# KiCad board pcb.kicad_pcb (continued)
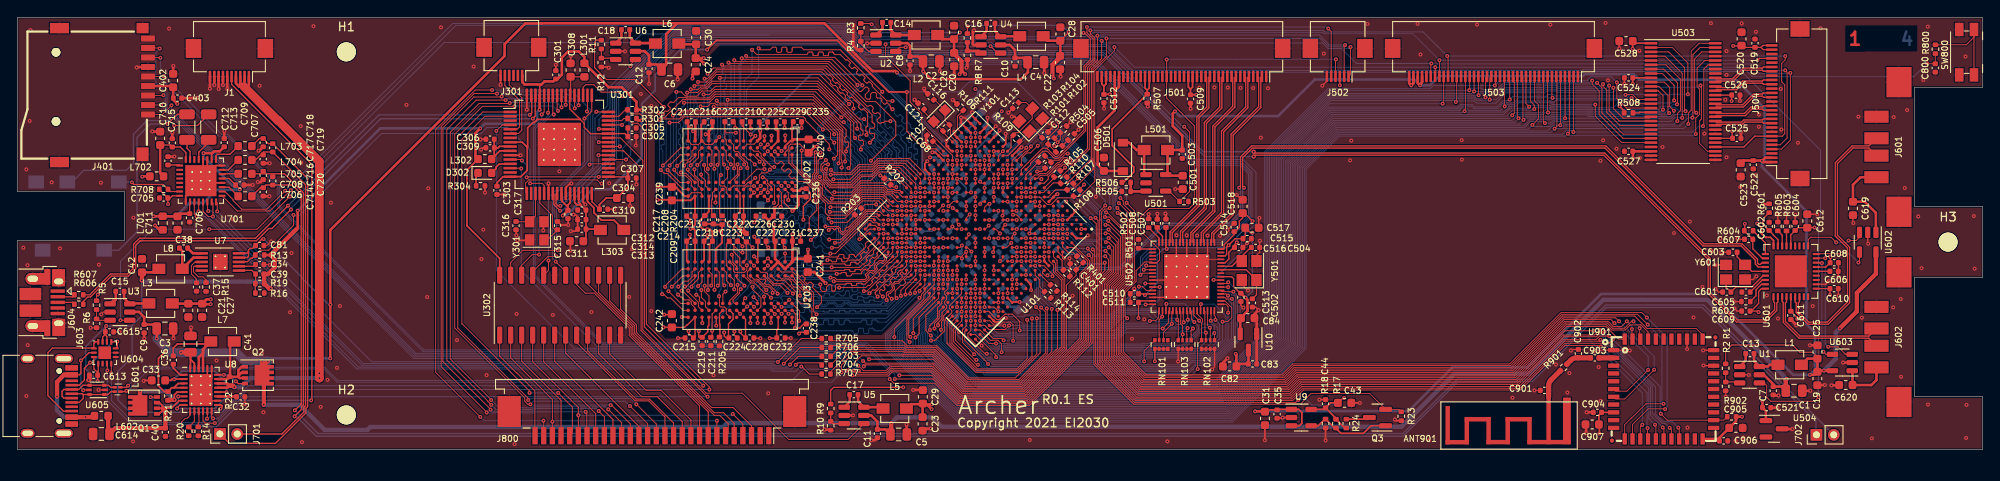
[diagram p0: board, top side]
## Nets (continued)
GND: ANT901.2 C1.1 C2.1 C3.1 C4.1 C5.1 C6.1 C7.1 C8.1 C9.1 C10.1 C11.1 C12.1 C19.1 C20.1 C21.1 C22.1 C23.1 C24.1 C25.1 C26.1 C27.1 C28.1 C29.1 C30.1 C31.2 C32.1 C33.1 C34.1 C35.2 C37.1 C40.1 C41.1 C42.1 C43.2 C44.2 C45.2 C46.2 C47.2 C48.2 C49.2 C50.2 C51.2 C52.2 C53.2 C54.2 C55.2 C56.2 C57.2 C58.2 C59.2 C60.2 C61.2 C62.2 C63.2 C64.2 C65.1 C66.1 C67.1 C68.1 C69.1 C70.1 C71.2 C72.2 C73.2 C74.2 C75.2 C76.1 C77.1 C78.1 C79.1 C80.1 C81.1 C82.2 C83.2 C84.2 C101.2 C102.2 C103.2 C104.2 C105.2 C106.2 C107.2 C108.2 C109.2 C110.2 C111.2 C112.2 C113.2 C114.2 C115.2 C116.2 C117.2 C118.2 C119.2 C120.2 C121.2 C122.2 C123.2 C124.2 C125.2 C126.2 C201.2 C202.2 C203.2 C204.2 C205.2 C206.2 C207.2 C208.2 C209.2 C210.2 C211.2 C212.2 C213.2 C214.2 C215.2 C216.2 C217.2 C218.2 C219.2 C220.2 C221.2 C222.2 C223.2 C224.2 C225.2 C226.2 C227.2 C228.2 C229.2 C230.2 C231.2 C232.2 C234.2 C235.2 C236.2 C237.2 C238.2 C239.2 C240.2 C241.2 C242.2 C301.2 C302.2 C303.2 C304.2 C305.2 C306.2 C307.2 C308.2 C309.2 C310.2 C311.2 C312.2 C313.2 C314.2 C315.2 C316.2 C317.2 C401.2 C402.2 C403.2 C501.1 C502.1 C503.1 C504.1 C505.1 C506.1 C507.2 C508.2 C509.2 C510.2 C511.2 C512.2 C513.2 C514.2 C515.2 C516.2 C517.2 C518.2 C519.2 C520.2 C521.2 C522.2 C523.2 C524.2 C525.2 C526.2 C527.2 C528.2 C601.1 C602.2 C603.1 C604.2 C605.2 C606.2 C607.2 C608.2 C609.2 C610.2 C611.2 C612.2 C613.2 C614.2 C615.2 C619.2 C620.2 C705.2 C706.2 C707.2 C708.2 C709.2 C710.2 C711.2 C714.1 C715.2 C716.1 C717.1 C718.1 C800.1 C901.1 C902.1 C904.2 C905.2 C906.2 C907.2 J1.6 J1.7 J1.8 J1.9 J1.10 J1.MP J301.6 J301.MP J401.6 J401.10 J401.11 J401.12 J401.13 J501.1 J501.4 J501.7 J501.10 J501.13 J501.16 J501.17 J501.27 J501.30 J501.32 J501.33 J501.37 J501.MP J502.6 J502.MP J503.1 J503.10 J503.19 J503.23 J503.28 J503.30 J503.36 J503.MP J504.8 J504.9 J504.12 J504.15 J504.18 J504.21 J504.MP J601.4 J601.5 J602.4 J602.5 J603.A1 J603.A12 J603.B1 J603.B12 J603.S1 J604.4 J604.5 J604.6 J703.S J800.1 J800.MP R2.1 R4.1 R6.1 R8.1 R10.1 R12.1 R14.2 R15.1 R16.1 R18.2 R23.2 R102.1 R104.1 R106.1 R112.2 R113.2 R114.2 R115.1 R201.1 R202.1 R203.1 R204.2 R205.2 R207.2 R304.2 R501.1 R502.1 R503.2 R507.2 R602.2 R603.2 R605.2 RN102.1 RN102.2 RN102.3 RN102.4 RN103.1 RN103.2 RN103.3 RN103.4 SW800.2 U1.2 U2.2 U3.2 U4.2 U5.2 U6.2 U7.11 U8.16 U8.23 U8.24 U8.29 U9.2 U10.1 U101.A1 U101.A3 U101.A6 U101.A9 U101.A13 U101.A17 U101.A21 U101.A25 U101.AA1 U101.AA2 U101.AA6 U101.AA8 U101.AA15 U101.AA23 U101.AB1 U101.AB2 U101.AB4 U101.AB5 U101.AB7 U101.AB9 U101.AB12 U101.AC1 U101.AC2 U101.AC6 U101.AC9 U101.AC12 U101.AC15 U101.AC17 U101.AC19 U101.AC21 U101.AC23 U101.AD1 U101.AD2 U101.AD3 U101.AD5 U101.AD7 U101.AD9 U101.AD12 U101.AE1 U101.AE2 U101.AE3 U101.AE5 U101.AE7 U101.AE9 U101.AE12 U101.AE24 U101.AE25 U101.B3 U101.B6 U101.B9 U101.B13 U101.B17 U101.B21 U101.C9 U101.C13 U101.C15 U101.C16 U101.C18 U101.C19 U101.D1 U101.D2 U101.D4 U101.D7 U101.D10 U101.D22 U101.F7 U101.F8 U101.F11 U101.F13 U101.G4 U101.G7 U101.G9 U101.G11 U101.G13 U101.G15 U101.G17 U101.G19 U101.G22 U101.H1 U101.H2 U101.H12 U101.H16 U101.J7 U101.J13 U101.J15 U101.J17 U101.J19 U101.K4 U101.K10 U101.K12 U101.K14 U101.K16 U101.K22 U101.L7 U101.L11 U101.L13 U101.L15 U101.L19 U101.M10 U101.M12 U101.M14 U101.M16 U101.M24 U101.M25 U101.N4 U101.N7 U101.N11 U101.N13 U101.N15 U101.N19 U101.P6 U101.P10 U101.P12 U101.P14 U101.P16 U101.R7 U101.R11 U101.R13 U101.R15 U101.R19 U101.R20 U101.R21 U101.R23 U101.T4 U101.T10 U101.T12 U101.T14 U101.T16 U101.T20 U101.U1 U101.U7 U101.U11 U101.U19 U101.U20 U101.U23 U101.V20 U101.W1 U101.W2 U101.W3 U101.W4 U101.W7 U101.W9 U101.W11 U101.W13 U101.W15 U101.W17 U101.W19 U101.W20 U101.W23 U101.Y6 U101.Y13 U101.Y14 U101.Y15 U101.Y16 U101.Y17 U101.Y18 U101.Y19 U202.A9 U202.B1 U202.B3 U202.B9 U202.D1 U202.D8 U202.E1 U202.E2 U202.E8 U202.F9 U202.G1 U202.G8 U202.G9 U202.J2 U202.J8 U202.M1 U202.M9 U202.P1 U202.P9 U202.T1 U202.T9 U203.A9 U203.B1 U203.B3 U203.B9 U203.D1 U203.D8 U203.E1 U203.E2 U203.E8 U203.F9 U203.G1 U203.G8 U203.G9 U203.J2 U203.J8 U203.M1 U203.M9 U203.P1 U203.P9 U203.T1 U203.T9 U301.11 U301.22 U301.26 U301.30 U301.64 U301.65 U302.12 U302.19 U501.2 U502.3 U502.6 U502.9 U502.12 U502.27 U502.32 U502.65 U502.67 U502.69 U503.5 U503.13 U503.21 U503.25 U503.27 U503.28 U503.29 U503.30 U503.33 U503.35 U503.36 U503.43 U503.49 U503.50 U503.53 U504.3 U601.11 U601.37 U602.2 U603.2 U604.8 U604.9 U604.15 U605.2 U701.9 U701.20 U701.24 U701.27 U701.28 U701.33 U901.1 U901.20 U901.31 U901.33 U901.36 Y101.2 Y101.4 Y301.2 Y301.4 Y501.2 Y501.4 Y601.2 Y601.4
VBUS: C40.2 C614.1 L602.1 Q1.1 Q1.2 Q1.3 U8.7
VBUS_IN: J603.A4 J603.A9 J603.B4 J603.B9 L602.2 U604.2 U605.5
+DRAM_VREF: C206.1 C208.1 C209.1 C210.1 C211.1 C233.2 C234.1 R206.2 R207.1 U101.AC13 U202.H1 U202.M8 U203.H1 U203.M8
+SYS: C1.2 C2.2 C3.2 C4.2 C5.2 C6.2 C7.2 C8.2 C9.2 C10.2 C11.2 C12.2 C41.2 C81.2 Q2.5 R21.1 U1.5 U2.5 U3.5 U4.5 U5.5 U6.5 U7.9 U7.10 U8.3 U8.4 U8.27 U8.28
/audio/MICBIAS: C715.1 U701.1
/ddr/DRAM_ADDR0: U101.AB19 U202.N3 U203.N3
/ddr/DRAM_ADDR1: U101.AB16 U202.P7 U203.P7
/ddr/DRAM_ADDR2: U101.AC18 U202.P3 U203.P3
/ddr/DRAM_ADDR3: U101.AC20 U202.N2 U203.N2
/ddr/DRAM_ADDR4: U101.AB21 U202.P8 U203.P8
/ddr/DRAM_ADDR5: U101.Y23 U202.P2 U203.P2
/ddr/DRAM_ADDR6: U101.V22 U202.R8 U203.R8
/ddr/DRAM_ADDR7: U101.Y22 U202.R2 U203.R2
/ddr/DRAM_ADDR8: U101.W22 U202.T8 U203.T8
/ddr/DRAM_ADDR9: U101.V23 U202.R3 U203.R3
/ddr/DRAM_ADDR10: U101.T23 U202.L7 U203.L7
/ddr/DRAM_ADDR11: U101.U22 U202.R7 U203.R7
/ddr/DRAM_ADDR12: U101.T22 U202.N7 U203.N7
/ddr/DRAM_ADDR13: U101.P23 U202.T3 U203.T3
/ddr/DRAM_ADDR14: U101.AB18 U202.T7 U203.T7
/ddr/DRAM_BA0: U101.R22 U202.M2 U203.M2
/ddr/DRAM_BA1: U101.P22 U202.N8 U203.N8
/ddr/DRAM_BA2: U101.N23 U202.M3 U203.M3
/ddr/DRAM_CASB: U101.AC14 U202.K3 U203.K3
/ddr/DRAM_CKE: R202.2 U101.AB17 U202.K9 U203.K9
/ddr/DRAM_CKN: U101.AD25 U202.K7 U203.K7
/ddr/DRAM_CKP: U101.AD24 U202.J7 U203.J7
/ddr/DRAM_CSB: U101.AB23 U202.L2 U203.L2
/ddr/DRAM_DATA0: U101.AD22 U202.A7
/ddr/DRAM_DATA1: U101.AD23 U202.A3
/ddr/DRAM_DATA2: U101.AE20 U202.C2
/ddr/DRAM_DATA3: U101.AE23 U202.A2
/ddr/DRAM_DATA4: U101.AE22 U202.D7
/ddr/DRAM_DATA5: U101.AD19 U202.B8
/ddr/DRAM_DATA6: U101.AD18 U202.C3
/ddr/DRAM_DATA7: U101.AE19 U202.C8
/ddr/DRAM_DATA8: U101.AE14 U202.G2
/ddr/DRAM_DATA9: U101.AE18 U202.E3
/ddr/DRAM_DATA10: U101.AE17 U202.F2
/ddr/DRAM_DATA11: U101.AD16 U202.H3
/ddr/DRAM_DATA12: U101.AE16 U202.H8
/ddr/DRAM_DATA13: U101.AD14 U202.F8
/ddr/DRAM_DATA14: U101.AD13 U202.F7
/ddr/DRAM_DATA15: U101.AE13 U202.H7
/ddr/DRAM_DATA16: U101.AA25 U203.G2
/ddr/DRAM_DATA17: U101.W24 U203.E3
/ddr/DRAM_DATA18: U101.V25 U203.F2
/ddr/DRAM_DATA19: U101.W25 U203.H3
/ddr/DRAM_DATA20: U101.AC25 U203.F8
/ddr/DRAM_DATA21: U101.AB25 U203.F7
/ddr/DRAM_DATA22: U101.AB24 U203.H8
/ddr/DRAM_DATA23: U101.AC24 U203.H7
/ddr/DRAM_DATA24: U101.R25 U203.A2
/ddr/DRAM_DATA25: U101.N24 U203.A7
/ddr/DRAM_DATA26: U101.P25 U203.C2
/ddr/DRAM_DATA27: U101.N25 U203.B8
/ddr/DRAM_DATA28: U101.U25 U203.D7
/ddr/DRAM_DATA29: U101.R24 U203.C8
/ddr/DRAM_DATA30: U101.U24 U203.A3
/ddr/DRAM_DATA31: U101.V24 U203.C3
/ddr/DRAM_DQM0: U101.AD20 U202.D3
/ddr/DRAM_DQM1: U101.AD17 U202.E7
/ddr/DRAM_DQM2: U101.AA24 U203.E7
/ddr/DRAM_DQM3: U101.P24 U203.D3
/ddr/DRAM_ODT: U101.AC16 U202.K1 U203.K1
/ddr/DRAM_RASB: U101.AB15 U202.J3 U203.J3
/ddr/DRAM_RST: R203.2 U101.AC22 U202.T2 U203.T2
/ddr/DRAM_SDQSN_0: U101.AD21 U202.B7
/ddr/DRAM_SDQSN_1: U101.AE15 U202.G3
/ddr/DRAM_SDQSN_2: U101.Y25 U203.G3
/ddr/DRAM_SDQSN_3: U101.T25 U203.B7
/ddr/DRAM_SDQSP_0: U101.AE21 U202.C7
/ddr/DRAM_SDQSP_1: U101.AD15 U202.F3
/ddr/DRAM_SDQSP_2: U101.Y24 U203.F3
/ddr/DRAM_SDQSP_3: U101.T24 U203.C7
/ddr/DRAM_WEB: U101.AB14 U202.L3 U203.L3
/ec/EC_SWCLK: J301.4 U301.6
/ec/EC_SWDIO: J301.5 U301.5
/ec/KSOE: U301.50 U302.18
/ec/KSOS1: U301.38 U302.23
/ec/KSOS2: U301.58 U302.22
/ec/KSOS3: U301.48 U302.21
/ec/KSOS4: U301.49 U302.20
/ec/LED: D302.2 U301.13
/lcd/LEDA: C506.2 D501.1 J501.35 J501.36
/lcd/LEDK: J501.28 J501.29 R506.1 R507.1
/lcd/LVDS_CKN: J504.14 U503.40
/lcd/LVDS_CKP: J504.13 U503.39
/lcd/LVDS_D0N: J504.23 U503.48
/lcd/LVDS_D0P: J504.22 U503.47
/lcd/LVDS_D1N: J504.20 U503.46
/lcd/LVDS_D1P: J504.19 U503.45
/lcd/LVDS_D2N: J504.17 U503.42
/lcd/LVDS_D2P: J504.16 U503.41
/lcd/LVDS_D3N: J504.11 U503.38
/lcd/LVDS_D3P: J504.10 U503.37
/lcd/MIPI_CN: J501.9 U502.8
/lcd/MIPI_CP: J501.8 U502.7
/lcd/MIPI_DN0: J501.3 U502.2
/lcd/MIPI_DN1: J501.6 U502.5
/lcd/MIPI_DN2: J501.12 U502.11
/lcd/MIPI_DN3: J501.15 U502.14
/lcd/MIPI_DP0: J501.2 U502.1
/lcd/MIPI_DP1: J501.5 U502.4
/lcd/MIPI_DP2: J501.11 U502.10
/lcd/MIPI_DP3: J501.14 U502.13
/power/BAT+: J1.1 J1.2 J1.3 J1.4 R22.1 U8.19 U8.20
/power/BAT_NTC: J1.5 R20.1 U8.10
/power/INTVCC: C33.2 U8.2 U8.18
/usb/OCI1B: U601.19 U602.3
/usb/OCI2B: U601.17 U603.3
/usb/PPON1: U601.18 U602.4
/usb/PPON2: U601.16 U603.4
/usb/TYPEC_DN: J603.A7 J603.B7 L601.4 U605.3 U605.4
/usb/TYPEC_DP: J603.A6 J603.B6 L601.3 U605.1 U605.6
/usb/USB_D1+: J601.3 U601.7
/usb/USB_D1-: J601.2 U601.6
/usb/USB_D2+: J602.3 U601.4
/usb/USB_D2-: J602.2 U601.3
AP_WAKE_BT: U101.T1 U901.6
ARM_EN: U5.4 U301.42
BT_CFG_1: RN101.3 U101.A22 U502.36
BT_CFG_2: RN103.5 U101.B22 U502.37
BT_CFG_3: RN103.6 U101.A23 U502.38
BT_CFG_4: RN101.2 U101.C22 U502.39
BT_CFG_5: RN103.8 U101.B23 U502.40
BT_CFG_6: RN103.7 U101.A24 U502.41
BT_CFG_10: RN102.5 U101.B24 U502.45
BT_CFG_11: RN102.8 U101.G20 U502.46
BT_CFG_12: RN101.4 U101.F21 U502.47
BT_CFG_13: RN102.7 U101.E22 U502.48
BT_CFG_14: RN102.6 U101.D23 U502.49
BT_RST_N: U101.T3 U901.34
BT_WAKE_AP: U101.T2 U901.7
CCM_CLKO2: R902.2 U101.C4 U901.24
DEBUG_USB_D+: R606.2 U301.62
DEBUG_USB_D-: R607.2 U301.63
EC_I2C_SCL: R302.2 U8.14 U301.47 U604.6
EC_I2C_SDA: R301.2 U8.13 U301.46 U604.7
EC_INT: U8.12 U301.39
EC_USB_D+: U301.23 U601.2
EC_USB_D-: U301.24 U601.1
EPD_PWR_EN: J503.31 J504.7 U101.L1 U503.32
EPD_TP_INT: J503.33 J504.25 U101.P2
EPDC_BDR0: J503.27 U101.K24 U503.24
EPDC_D0: J503.2 U101.P20 U503.51
EPDC_D1: J503.3 U101.P21 U503.52
EPDC_D2: J503.4 U101.N20 U503.54
EPDC_D3: J503.5 U101.N21 U503.55
EPDC_D4: J503.6 U101.N22 U503.56
EPDC_D5: J503.7 U101.M20 U503.2
EPDC_D6: J503.8 U101.M21 U503.3
EPDC_D7: J503.9 U101.M22 U503.4
EPDC_D8: J503.11 U101.M23 U503.6
EPDC_D9: J503.12 U101.L25 U503.7
EPDC_D10: J503.13 U101.L24 U503.8
EPDC_D11: J503.14 U101.L23 U503.10
EPDC_D12: J503.15 U101.L22 U503.11
EPDC_D13: J503.16 U101.L21 U503.12
EPDC_D14: J503.17 U101.L20 U503.14
EPDC_D15: J503.18 U101.K25 U503.15
EPDC_GDCLK: J503.24 U101.J25 U503.20
EPDC_GDOE: J503.25 U101.J24 U503.22
EPDC_GDSP: J503.26 U101.H25 U503.23
EPDC_PWRSTAT: J503.32 U101.K20
EPDC_SDCE0: J503.20 U101.G25 U503.16
EPDC_SDCLK: J503.29 U101.J21 U503.31
EPDC_SDLE: J503.21 U101.J20 U503.18
EPDC_SDOE: J503.22 U101.H21 U503.19
I2C1_SCL: J502.1 R107.2 U101.J2 U701.17
I2C1_SDA: J502.2 R105.2 U101.K1 U701.18
I2C2_SCL: J503.35 J504.5 R110.2 U101.K2
I2C2_SDA: J503.34 J504.4 R108.2 U101.K3
KSI0: J800.27 U301.36
KSI1: J800.24 U301.2
KSI2: J800.22 U301.52
KSI3: J800.20 U301.53
KSI4: J800.18 U301.55
KSI5: J800.17 U301.56
KSI6: J800.15 U301.57
KSI7: J800.14 U301.1
KSO0: J800.28 U302.1
KSO1: J800.7 J800.26 U302.2
KSO2: J800.25 U302.3
KSO3: J800.4 J800.23 U302.4
KSO4: J800.21 U302.5
KSO5: J800.19 U302.6
KSO6: J800.16 U302.7
KSO7: J800.13 U302.8
KSO8: J800.12 U302.9
KSO9: J800.11 U302.10
KSO10: J800.10 U302.11
KSO11: J800.9 U302.17
KSO12: J800.8 U302.16
KSO13: J800.6 U302.15
KSO14: J800.5 U302.14
KSO15: J800.3 U302.13
LCD1_CLK: U101.E20 U502.30
LCD1_DE: U101.F25 U502.28
LCD1_HSYNC: U101.E25 U502.29
LCD1_RESET: J501.24 J502.4 U101.C21 U502.22
LCD1_VSYNC: U101.F24 U502.34
LCD_D0: U101.D21 U502.35
LCD_D7: U101.F20 U502.42
LCD_D8: U101.E21 U502.43
LCD_D9: U101.C23 U502.44
LCD_D15: U101.C24 U502.50
LCD_D16: U101.B25 U502.51
LCD_D17: U101.G21 U502.52
LCD_D18: U101.E23 U502.53
LCD_D19: U101.D24 U502.54
LCD_D20: U101.C25 U502.55
LCD_D21: U101.E24 U502.56
LCD_D22: U101.D25 U502.57
LCD_D23: U101.G23 U502.58
LCD_EN: R503.1 U301.44 U501.4
LCD_PWM: R504.2 U101.N2
LCD_TP_INT: J502.5 U101.P1
MPU_RST: U101.R6 U301.14
ONOFF: C800.2 R800.2 U101.AC8
PMIC_ON_REQ: U101.AB8 U301.37
PMIC_STBY_REQ: U101.AC7 U301.17
PWR_EN: U1.4 U2.4 U3.4 U4.4 U6.4 U301.41
SAI1_MCLK: R707.1 U101.E10
SAI1_RXD: R705.1 U101.E12
SAI1_TXC: R704.1 U101.C11
SAI1_TXD: R706.1 U101.E11
SAI1_TXFS: R703.1 U101.D11
SB_PG: R13.1 U7.8 U301.21
SD1_CLK: R401.2 U101.B5
SD1_CMD: J401.3 U101.C5
SD1_DATA0: J401.7 U101.A5
SD1_DATA1: J401.8 U101.D6
SD1_DATA2: J401.1 U101.A4
SD1_DATA3: J401.2 U101.D5
SD1_VSELECT: Q3.2 R23.1 U101.R1
SD2_CLK: U101.E3 U901.17
SD2_CMD: U101.F6 U901.16
SD2_DATA0: U101.E4 U901.18
SD2_DATA1: U101.E5 U901.19
SD2_DATA2: U101.F5 U901.14
SD2_DATA3: U101.E6 U901.15
SPI_LCD_CS: U301.12 U502.59
SPI_LCD_MISO: U301.40 U502.23
SPI_LCD_MOSI: U301.51 U502.24
SPI_LCD_SCLK: U301.45 U502.25
UART1_RXD: U101.L3 U301.60
UART1_TXD: U101.L4 U301.59
UART3_CTS: U101.M6 U901.41
UART3_RTS: U101.M5 U901.44
UART3_RXD: U101.M1 U901.42
UART3_TXD: U101.M2 U901.43
USB_HOST_DN: U101.A10 U601.30
USB_HOST_DP: U101.B10 U601.31
USB_OTG_DN: L601.1 U101.A8
USB_OTG_DP: L601.2 U101.B8
USB_OTG_ID: U101.B7 U301.4
WL_PMU_EN: U101.T5 U901.12
WL_WAKE_AP: U101.T6 U901.13
Net-(ANT901-Pad1): ANT901.1 C901.2 R901.2
Net-(C13-Pad1): C13.1 L1.1 U1.6
Net-(C13-Pad2): C13.2 U1.1
Net-(C14-Pad1): C14.1 L2.1 U2.6
Net-(C14-Pad2): C14.2 U2.1
Net-(C15-Pad1): C15.1 L3.1 U3.6
Net-(C15-Pad2): C15.2 U3.1
Net-(C16-Pad1): C16.1 L4.1 U4.6
Net-(C16-Pad2): C16.2 U4.1
Net-(C17-Pad1): C17.1 L5.1 U5.6
Net-(C17-Pad2): C17.2 U5.1
Net-(C18-Pad1): C18.1 L6.1 U6.6
Net-(C18-Pad2): C18.2 U6.1
Net-(C34-Pad2): C34.2 U7.7
Net-(C36-Pad1): C36.1 U8.1
Net-(C36-Pad2): C36.2 L7.1 U8.25 U8.26
Net-(C37-Pad2): C37.2 U7.3
Net-(C38-Pad1): C38.1 L8.1 U7.2
Net-(C38-Pad2): C38.2 U7.1
Net-(C39-Pad2): C39.2 R16.2 R19.2 U7.6
Net-(C65-Pad2): C65.2 C76.2 C77.2 U101.AA9 U101.AA10 U101.AA11 U101.AA12
Net-(C66-Pad2): C66.2 U101.V3
Net-(C67-Pad2): C67.2 U101.H18
Net-(C68-Pad2): C68.2 U101.AE8
Net-(C69-Pad2): C69.2 U101.AC5
Net-(C70-Pad2): C70.2 U101.V10
Net-(C78-Pad2): C78.2 C79.2 C80.2 U101.Y9 U101.Y10 U101.Y11 U101.Y12
Net-(C104-Pad1): C104.1 U101.N17
Net-(C106-Pad1): C106.1 C107.1 L101.2 U101.AB3 U101.AC3 U101.AC4
Net-(C110-Pad1): C110.1 U101.R9
Net-(C112-Pad1): C112.1 R109.2 U101.V2 Y101.1
Net-(C113-Pad1): C113.1 R109.1 U101.V1 Y101.3
Net-(C116-Pad1): C116.1 R111.2 U101.AD6 Y102.1
Net-(C117-Pad1): C117.1 C119.1 U101.H10
Net-(C118-Pad1): C118.1 C120.1 U101.J11
Net-(C121-Pad1): C121.1 R111.1 U101.AE6 Y102.2
Net-(C126-Pad1): C126.1 U101.J9
Net-(C302-Pad1): C302.1 C303.1 C305.1 C308.1 L301.2 U301.8 U301.16 U301.43 U301.54
Net-(C306-Pad1): C306.1 C309.1 L302.2 U301.9 U301.10
Net-(C311-Pad1): C311.1 C312.1 C313.1 C314.1 L303.2 U301.28 U301.29
Net-(C315-Pad1): C315.1 U301.20 Y301.1
Net-(C316-Pad1): C316.1 U301.19 Y301.3
Net-(C401-Pad1): C401.1 J401.5 R401.1
Net-(C502-Pad2): C502.2 U502.62 Y501.1
Net-(C504-Pad2): C504.2 U502.63 Y501.3
Net-(C505-Pad2): C505.2 R504.1 R505.2
Net-(C601-Pad2): C601.2 U601.33 Y601.1
Net-(C602-Pad1): C602.1 R601.2 U601.26
Net-(C603-Pad2): C603.2 U601.32 Y601.3
Net-(C605-Pad1): C605.1 U601.34
Net-(C606-Pad1): C606.1 U601.14
Net-(C706-Pad1): C706.1 C707.1 C708.1 C711.1 L701.1 U701.10 U701.21 U701.26
Net-(C709-Pad1): C709.1 C710.1 L702.1 U701.32
Net-(C712-Pad1): C712.1 U701.31
Net-(C712-Pad2): C712.2 J703.T
Net-(C713-Pad1): C713.1 U701.29
Net-(C713-Pad2): C713.2 J703.R
Net-(C714-Pad2): C714.2 C720.2 J702.2 L706.2
Net-(C716-Pad2): C716.2 C720.1 J702.1 L705.2
Net-(C717-Pad2): C717.2 C719.2 J701.2 L704.2
Net-(C718-Pad2): C718.2 C719.1 J701.1 L703.2
Net-(C902-Pad2): C902.2 C903.2 R901.1
Net-(C903-Pad1): C903.1 U901.2
Net-(D302-Pad1): D302.1 R304.1
Net-(D501-Pad2): D501.2 L501.2 U501.1
Net-(J603-PadA5): J603.A5 U604.10 U604.11
Net-(J603-PadB5): J603.B5 U604.1 U604.14
Net-(J604-Pad2): J604.2 R607.1
Net-(J604-Pad3): J604.3 R606.1
Net-(J703-PadTN): J703.TN R708.2 U701.7
Net-(L7-Pad2): L7.2 Q2.1 Q2.2 Q2.3 R22.2 U8.21
Net-(L303-Pad1): L303.1 U301.31
Net-(L703-Pad1): L703.1 U701.25
Net-(L704-Pad1): L704.1 U701.23
Net-(L705-Pad1): L705.1 U701.22
Net-(L706-Pad1): L706.1 U701.19
Net-(Q1-Pad4): Q1.4 U8.6
Net-(Q1-Pad5): Q1.5 R21.2 U8.5
Net-(Q2-Pad4): Q2.4 U8.22
Net-(Q3-Pad1): Q3.1 R17.2 R18.1 U9.4
Net-(Q3-Pad3): Q3.3 R24.2
Net-(R1-Pad1): R1.1 R2.2 U1.3
Net-(R3-Pad1): R3.1 R4.2 U2.3
Net-(R5-Pad1): R5.1 R6.2 U3.3
Net-(R7-Pad1): R7.1 R8.2 U4.3
Net-(R10-Pad2): R9.1 R10.2 U5.3
Net-(R11-Pad1): R11.1 R12.2 U6.3
Net-(R14-Pad1): R14.1 U8.11
Net-(R15-Pad2): R15.2 U7.4
Net-(R20-Pad2): R20.2 U8.9
Net-(R101-Pad1): R101.1 R102.2 U101.P5
Net-(R103-Pad1): R103.1 R104.2 U101.P4
Net-(R106-Pad2): R106.2 U101.AE4
Net-(R112-Pad1): R112.1 U101.A7
Net-(R113-Pad1): R113.1 U101.B11
Net-(R114-Pad1): R114.1 U101.A11
Net-(R115-Pad2): R115.2 U101.AA13
Net-(R201-Pad2): R201.2 U101.AB13
Net-(R204-Pad1): R204.1 U202.L8
Net-(R205-Pad1): R205.1 U203.L8
Net-(R501-Pad2): R501.2 U502.18
Net-(R502-Pad2): R502.2 U502.17
Net-(R505-Pad1): R505.1 R506.2 U501.3
Net-(R508-Pad2): R508.2 U503.17
Net-(R602-Pad1): R602.1 U601.35
Net-(R603-Pad1): R603.1 U601.24
Net-(R604-Pad1): R604.1 U601.28
Net-(R605-Pad1): R605.1 U601.25
Net-(R703-Pad2): R703.2 U701.13 U701.15
Net-(R704-Pad2): R704.2 U701.12
Net-(R705-Pad2): R705.2 U701.16
Net-(R706-Pad2): R706.2 U701.14
Net-(R707-Pad2): R707.2 U701.11
Net-(R800-Pad1): R800.1 SW800.1

Pads without a net: ANT901 0; J301 2 3; J401 9; J501 20 21 22 23 25 26 31 34 40; J504 3 6 24 26; J603 A8 B8; J604 1; J800 2; RN101 1; U7 5; U101 A2 A12 A14 A15 A16 A18 A19 A20 AA3 AA4 AA5 AA7 AA14 AA22 AB6 AB10 AB11 AB20 AB22 AC10 AC11 AD4 AD10 AD11 AE10 AE11 B1 B2 B4 B12 B14 B15 B16 B18 B19 B20 C1 C2 C3 C6 C7 C12 D3 D8 D9 D12 D13 D15 D16 D18 D19 E1 E2 E8 E9 E13 E14 E15 E16 E17 E18 E19 F1 F2 F14 F15 F16 F17 G1 G2 G3 G5 G6 G24 H3 H4 H5 H6 H14 H20 H22 H23 H24 J1 J5 J6 K5 K6 K21 K23 L2 L5 L6 N1 N3 N5 N6 P3 R2 R5 U2 U3 U4 U5 U6 U9 V4 Y1 Y2 Y3 Y4 Y5 Y7 Y8; U202 J1 J9 L1 L9 M7; U203 J1 J9 L1 L9 M7; U301 3 7 15 18 34 35; U502 19 20 21 26 61; U504 2; U601 8 9 12 13 20 21 22; U604 5; U701 2 3 4 5 6 30; U901 3 4 5 8 10 11 21 23 25 26 27 28 29 30 32 35 37 38 39 40 FID1 FID2

## Via types
v1: diameter 0.46, hole 0.2, Top to Bottom, 1017 vias
v2: diameter 0.45, hole 0.2, Top to Bottom, 298 vias

## Routing (per net, layer and track width the routed paths; a pad name or vN(x,y) marks a point on that pad's centre or on a via; arc(x,y) is an arc through that point)
+1V0: length 54.4
  Top w0.1: U101.R3 v2(114.9,32.39) ; U101.U17 v2(105.89,25.5) U101.V18 ; U101.D14 v2(114.9,19.67) ; U101.V12 108.08,28.68 v2(107.55,28.15) ; U101.F19 v2(111.19,18.08) ; U101.F3 v2(120.21,27.09) ; U101.R17 v2(106.95,24.44) U101.T18 ; U101.M3 v2(117.02,30.27) ; U101.M4 v2(116.49,29.74) ; U101.R4 v2(114.37,31.86) ; U101.V14 v2(106.95,27.62) ; U101.C14 v2(115.43,19.14) ; U101.F4 v2(119.68,26.56) ; U101.U13 108.38,27.62 v2(108.05,27.95) ; U101.J4 v2(118.09,28.15) U101.J3 ; U101.F18 v2(111.72,18.61) ; U101.V16 v2(106.95,26.56) U101.U15 ; U101.P18 v2(106.95,23.38)
  Top w0.15: R7.2 109.74,48.95 v1(109.74,48.95) ; C28.2 121.42,48.24 v1(121.42,48.3)
  Top w0.3: L4.2 119,47.29 C28.2 120.47,45.57 C22.2 ; C22.2 119.47,44.57 v1(119.47,43.42) ; C22.2 120.44,45.19 119.64,44.39 119.64,42.99 v2(119.72,42.91)
  Bottom w0.1: v2(114.9,32.39) v2(114.37,31.86) ; C53.1 106.78,23.38 v2(106.95,23.38) ; v2(107.55,28.15) 107.85,28.15 v2(108.05,27.95) ; v2(117.02,30.27) v2(116.49,29.74)
  Bottom w0.15: v1(121.42,48.3) 120.66,49.06 109.85,49.06 v1(109.74,48.95)
  Bottom w0.2: C75.1 106.95,25.85 v2(106.95,26.56) ; v2(105.89,25.5) 105.65,25.26 C57.1 ; C71.1 117.35,30.27 v2(117.02,30.27) ; C46.1 115.89,19.14 v2(115.43,19.14) ; C62.1 106.94,24.44 v2(106.95,24.44) ; C74.1 115.66,33.02 C47.1 115.24,32.39 v2(114.9,32.39) ; v2(108.05,27.95) 108.15,27.95 C72.1 ; v2(119.68,26.56) 119.68,27.54 C52.1 120.13,27.09 v2(120.21,27.09) ; v2(118.09,28.15) 118.09,26.99 C61.1 ; v2(111.19,18.08) 111.52,18.08 C56.1 111.72,17.88 v2(111.72,18.61) ; v2(106.95,27.62) 106.98,27.62 C50.1 ; C73.1 107.88,23.38 v2(106.95,23.38) ; C49.1 114.9,19.7 v2(114.9,19.67)
+1V2: length 41.5
  Top w0.15: v1(130.24,17.86) 130.12,17.99 130.12,18 ; U502.60 140.25,20 140.48,19.76 140.48,18.85 141.25,18.08 C513.1 ; U502.66 139.5,22.4 139.67,22.57 139.67,23.4 140.66,24.39 C515.1 141.83,24.65 C517.1 142.4,25.08 v1(142.65,25.08) ; 130.12,18 129.52,18 C510.1 ; 130.12,18 U502.31 ; v1(132.75,23.2) 132.67,23.29 U502.15 C507.1
  Top w0.3: C513.1 142.09,17.31 142.09,16.06 142.1,16.04 141.34,15.28 C84.1 141.24,15.11 U10.2
  Bottom w0.15: v1(141.85,17.58) 141.91,17.58 142.65,18.32 v1(142.65,25.08) ; v2(139.9,23.63) 139.62,23.35 132.9,23.35 v1(132.75,23.2) 132.35,23.2 131.66,22.51 131.66,19.28 v1(130.24,17.86)
+1V8: length 59.9
  Top w0.1: U101.V8 v2(110.66,31.33) ; U101.L9 v2(114.37,26.56) ; U101.W6 v2(111.19,32.92)
  Top w0.11: v1(110.12,21.22) 110.09,21.26 U101.K18
  Top w0.13: v1(98.68,49.18) 98.58,49.28 R3.2 ; v1(108.86,48.23) 108.19,47.56 C26.2
  Top w0.15: U502.33 129.68,17.2 C511.1 129.5,15.22 v1(129.49,15.21) ; v1(142.68,26.43) 141.76,27.35 C518.1 141.53,26.8 141.14,26.41 141.14,25.67 140.68,25.21 C514.1 140.55,24.87 139.38,23.7 139.38,23.26 139.32,23.2 U502.68 ; U502.64 139.5,21.6 139.93,22.03 139.93,22.82 140.48,23.37 C516.1 140.6,23.71 v1(140.85,23.96) ; v1(131.16,26.17) 131.65,25.69 C508.1 131.67,25.28 132.27,24.68 U502.16
  Top w0.2: 135.5,41.68 135.74,41.93 135.74,43.14 J501.18 ; 135.5,41.68 135.25,41.93 135.25,43.15 J501.19 ; 135.5,41.68 C509.1 135.51,41.04 v1(136.17,41.04)
  Top w0.3: L2.2 106.78,47.48 C26.2 108.19,45.9 C20.2 ; v2(108.82,43.42) 108.97,43.57 108.97,44.86 108.21,45.63 C20.2 ; C20.2 109.15,44.95 109.15,43.76 v1(109.48,43.42) ; U10.3 142.19,9.91 C83.1 141.09,9.9 C82.1 140.8,10.99 v1(140.72,11.06)
  Bottom w0.11: v1(110.12,21.22) 110.12,20.7 C101.1
  Bottom w0.13: v1(108.86,48.23) 99.63,48.23 v1(98.68,49.18)
  Bottom w0.15: v1(140.85,23.96) 140.85,24.6 v1(142.68,26.43)
  Bottom w0.2: L9.1 113.7,39.1 v1(113.7,39.13) ; v2(114.37,26.56) 113.96,26.56 C109.1 ; L101.1 110.24,40.32 C105.1 110.69,41.71 v1(110.66,41.71)
  Bottom w0.3: v2(111.19,32.92) 110.3,32.92 C59.1
+1V8A: length 8.8
  Top w0.1: U101.V6 v2(111.72,32.39) U101.W5 v2(111.72,33.45) ; U101.V5 v2(112.25,32.92)
  Bottom w0.1: v2(112.25,32.92) v2(111.72,32.39)
  Bottom w0.2: v2(111.72,33.45) 111.72,33.5 C54.1 110.88,34.34 110.88,34.8 111.84,35.76 C58.1 111.94,36.08 L9.2 ; C111.1 112.25,33.05 v2(112.25,32.92)
+1V35: length 158.1
  Top w0.1: U101.Y20 v2(102.71,25.5) U101.AA20 ; 81.72,36.86 81.93,36.64 v1(82.98,36.64) ; 81.72,36.86 81.72,35.97 81.88,35.81 81.88,35.3 U202.K2 ; 81.72,36.86 C221.1 ; U101.W21 102.71,24.44 v2(102.7,24.43) ; U101.AA16 v2(104.3,28.15) U101.AA17 ; U202.F1 85.1,35.32 84.3,35.32 U202.H2 ; U101.Y21 v2(102.18,24.97) U101.AA21 ; v1(89.82,14.06) 89.86,14.1 89.86,15.72 U203.A8 ; U101.AA18 v2(103.24,27.09) U101.AA19 ; U101.U21 v2(103.77,23.38) U101.V21 ; U101.T21 v2(104.3,22.85)
  Top w0.11: 82.74,23.58 C223.1 81.89,23.77 81.89,21.29 U203.K2 ; 82.74,23.58 82.74,22.87 83.45,22.16 83.45,21.33 U203.H2 ; 82.74,23.58 83.53,22.79 v1(83.76,22.79) ; U202.E9 86.7,28.88 v1(86.7,28.83) 86.7,28.92 U202.D9 ; v1(85.23,31.43) 85.2,31.43 U202.G7 84.39,30.9 83.99,30.5 82.68,30.5 U202.K8 ; v1(85.08,16.51) 85.07,16.51 U203.G7 ; v1(87.45,27.93) 87.9,28.38 87.9,29.28 U202.C9
  Top w0.13: v1(74.66,39.63) 71.5,42.79 68.05,42.79 66.67,44.17 66.67,47.12 66.91,47.36 R11.2
  Top w0.15: C238.1 90.82,14.52 90.36,14.06 v1(89.82,14.06) ; U203.K8 82.67,15.71 82.67,15.07 82.14,14.55 82.14,12.95 C224.1 81.88,12.9 81.65,13.13 v1(81.65,13.54) ; U202.H9 83.88,27 C222.1 ; v1(74.64,14.14) 75.58,14.14 C242.1 77.05,14.12 77.36,14.43 77.41,14.43 U203.R9 78.28,13.1 C215.1 77.53,13.45 v1(77.53,13.7) ; U203.N9 79.88,14.38 79.75,14.25 79.75,13.63 C219.1 78.77,12.98 78.71,13.04 v1(78.71,13.71) ; 91.12,30.18 91.59,29.7 91.59,28.95 90.78,28.14 v1(90.78,26.58) ; 85.48,21.95 85.52,21.99 C227.1 85.11,24.51 v1(85.11,24.63) ; 85.48,21.95 U203.F1 ; 85.48,21.95 v1(85.08,22.35) ; U203.H9 84.11,15.07 C228.1 83.5,13.51 v1(83.5,13.66) ; v1(86.27,14.6) 86.27,15.29 U203.E9 ; U203.D9 87.06,15.28 v1(87.06,14.67) ; v1(86.9,12.87) 87.69,12.87 C232.1 87.72,13.81 87.69,13.83 87.88,14.02 U203.C9
  Top w0.2: U202.B2 88.68,35.1 89.28,35.7 U202.A1 89.48,37.78 C235.1 ; C217.1 78.83,26.49 78.83,25.87 79.23,25.47 v1(79.7,25.47) 80.01,25.47 80.28,25.21 C218.1 79.95,23.77 79.95,21.77 U203.N1 ; C217.1 79.34,27 ; C217.1 79.88,27.54 U202.N9 ; U203.R1 C214.1 78.28,25.37 78.12,25.53 v1(77.75,25.53) 77.79,25.53 78.28,26.01 C213.1 U202.R9 77.8,28.83 C239.1 75.54,28.89 v1(73.91,28.89) ; U202.D2 U202.C1
  Top w0.3: U203.C1 87.52,22.06 C231.1 87.36,24.26 v1(87.36,26.04) ; U203.C1 U203.B2 U203.A1 ; U203.C1 U203.D2 ; 79.88,36.49 79.85,36.46 v1(79.51,36.46) ; 79.88,36.49 U202.N1 ; 79.88,36.49 79.88,36.85 80.28,37.25 C216.1 ; C24.2 78.36,45.28 v1(79.29,45.28) ; C24.2 78.36,46.82 C30.2 76.49,46.88 L6.2 ; C24.2 78.67,45.29 v2(79.31,44.64) ; 78.3,37.03 78.25,37.03 v1(78.05,36.83) ; 78.3,37.03 78.3,37.87 C212.1 ; 78.3,37.03 78.3,35.72 U202.R1 ; 85.68,37.9 85.8,37.78 v1(85.8,36.87) 85.8,36.02 U202.F1 ; C222.1 83.88,26.3 v1(83.76,26.17) ; U202.A8 89.63,29.95 90.35,29.95 90.58,30.18 C236.1 91.12,30.18 ; C229.1 v1(87.64,37.08) 87.87,36.85 87.87,35.71 U202.C1 ; v1(92.43,35.8) 91.48,35.8 C240.1 89.65,35.88 U202.A1 ; v1(89.54,24.93) 89.54,24.12 C237.1 89.52,21.74 U203.A1 ; U203.A1 89.85,22.08 C241.1 91.32,22.1 v1(91.32,23.12) ; C226.1 86.77,26.51 v1(86.77,26.14) 86.77,26.45 C230.1 87.45,27.13 v1(87.45,27.93)
  Bottom w0.1: v2(104.3,28.15) 104.44,28.01 104.96,28.01 105.61,27.37 105.61,27.21 ; C205.1 86.14,28.28 v1(86.7,28.83)
  Bottom w0.15: v1(85.08,22.35) 85.55,22.35 C220.1 85.6,23.03 R206.1 85.64,24.11 85.64,24.59 ; 85.64,24.59 85.6,24.63 v1(85.11,24.63) ; 85.64,24.59 C233.1
  Bottom w0.2: v2(103.24,27.09) 103.11,27.09 C202.1 102.71,26.68 v2(102.71,25.5) ; v2(102.7,24.43) 102.7,24.38 C204.1 103.7,23.38 v2(103.77,23.38) ; C201.1 104.19,28.15 v2(104.3,28.15) ; v2(102.18,24.97) 101.65,24.97 C203.1
  vias: v1(89.48,37.12)
+3V3: length 108.4
  Top w0.1: U101.M8 113.84,27.11 v2(113.79,27.06) ; U101.F9 v2(117.02,23.91) ; U101.H8 v2(116.49,25.5) ; U101.T8 v2(111.72,30.27) ; U101.N9 v2(113.31,27.62) ; U101.C8 v2(119.15,22.85) ; U101.C10 v2(118.09,21.79) ; U101.F12 v2(115.43,22.32) ; U101.K8 v2(115.43,26.56) ; U101.F10 v2(116.49,23.38) ; U101.L17 v2(109.6,22.87) 109.1,22.37 v2(109.1,22.1) 108.88,22.32 U101.M18 ; U101.P8 v2(112.78,29.21)
  Top w0.11: R5.2 9.15,17.78 v1(9.3,17.93) ; R107.1 121.96,30.83 v1(122.5,31.37) ; v1(121.01,32.61) 120.66,32.26 R105.1 ; R110.1 121.8,32.1 v1(121.99,32.1) ; R108.1 122.72,30.15 v1(123.21,30.64)